# Altium PCB CCZynq.PcbDoc (part 1 of 5)
Units mil, origin at the board's own origin, x right, y up, seen from the top; angles counter-clockwise.
Board outline 3895 x 3895 mil, 4 copper layers (Top Layer, GND, PWR, Bottom Layer), stack 23.756 mil thick; 247 components, 195 nets, 1181 pads, 779 vias.
Unrouted connection lines stored in the file: 8.
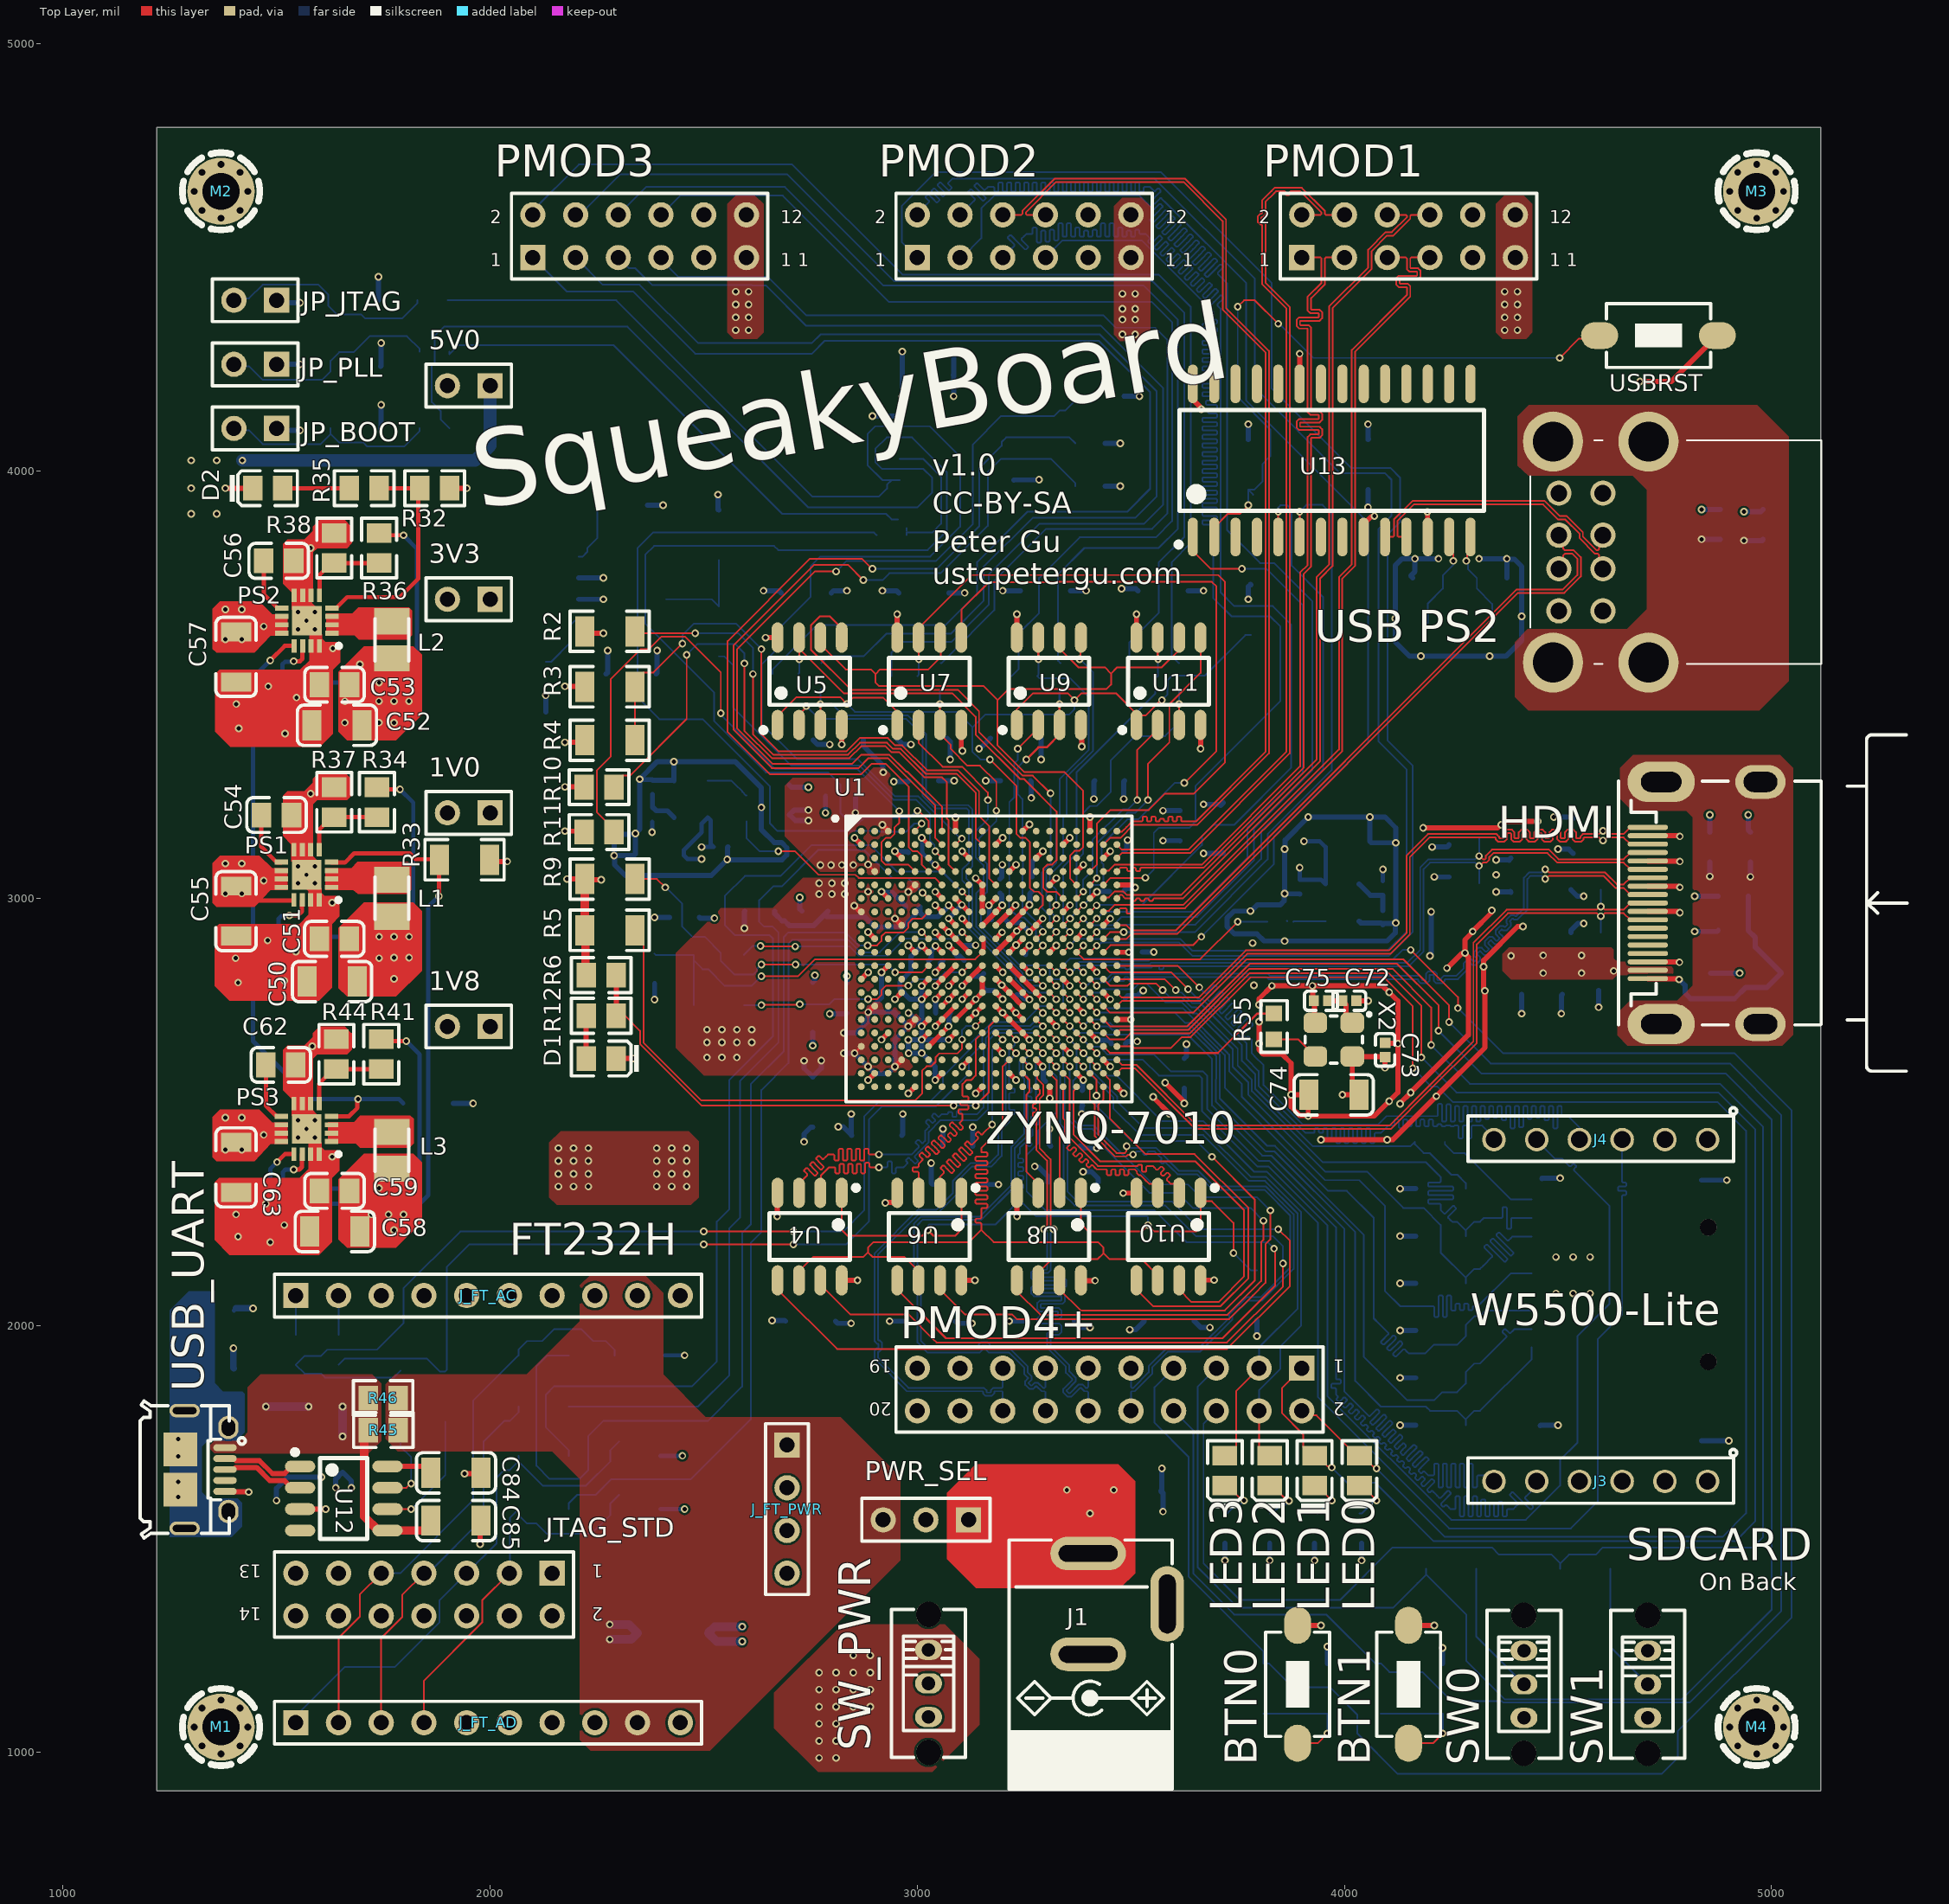
[diagram p0: Top Layer view]
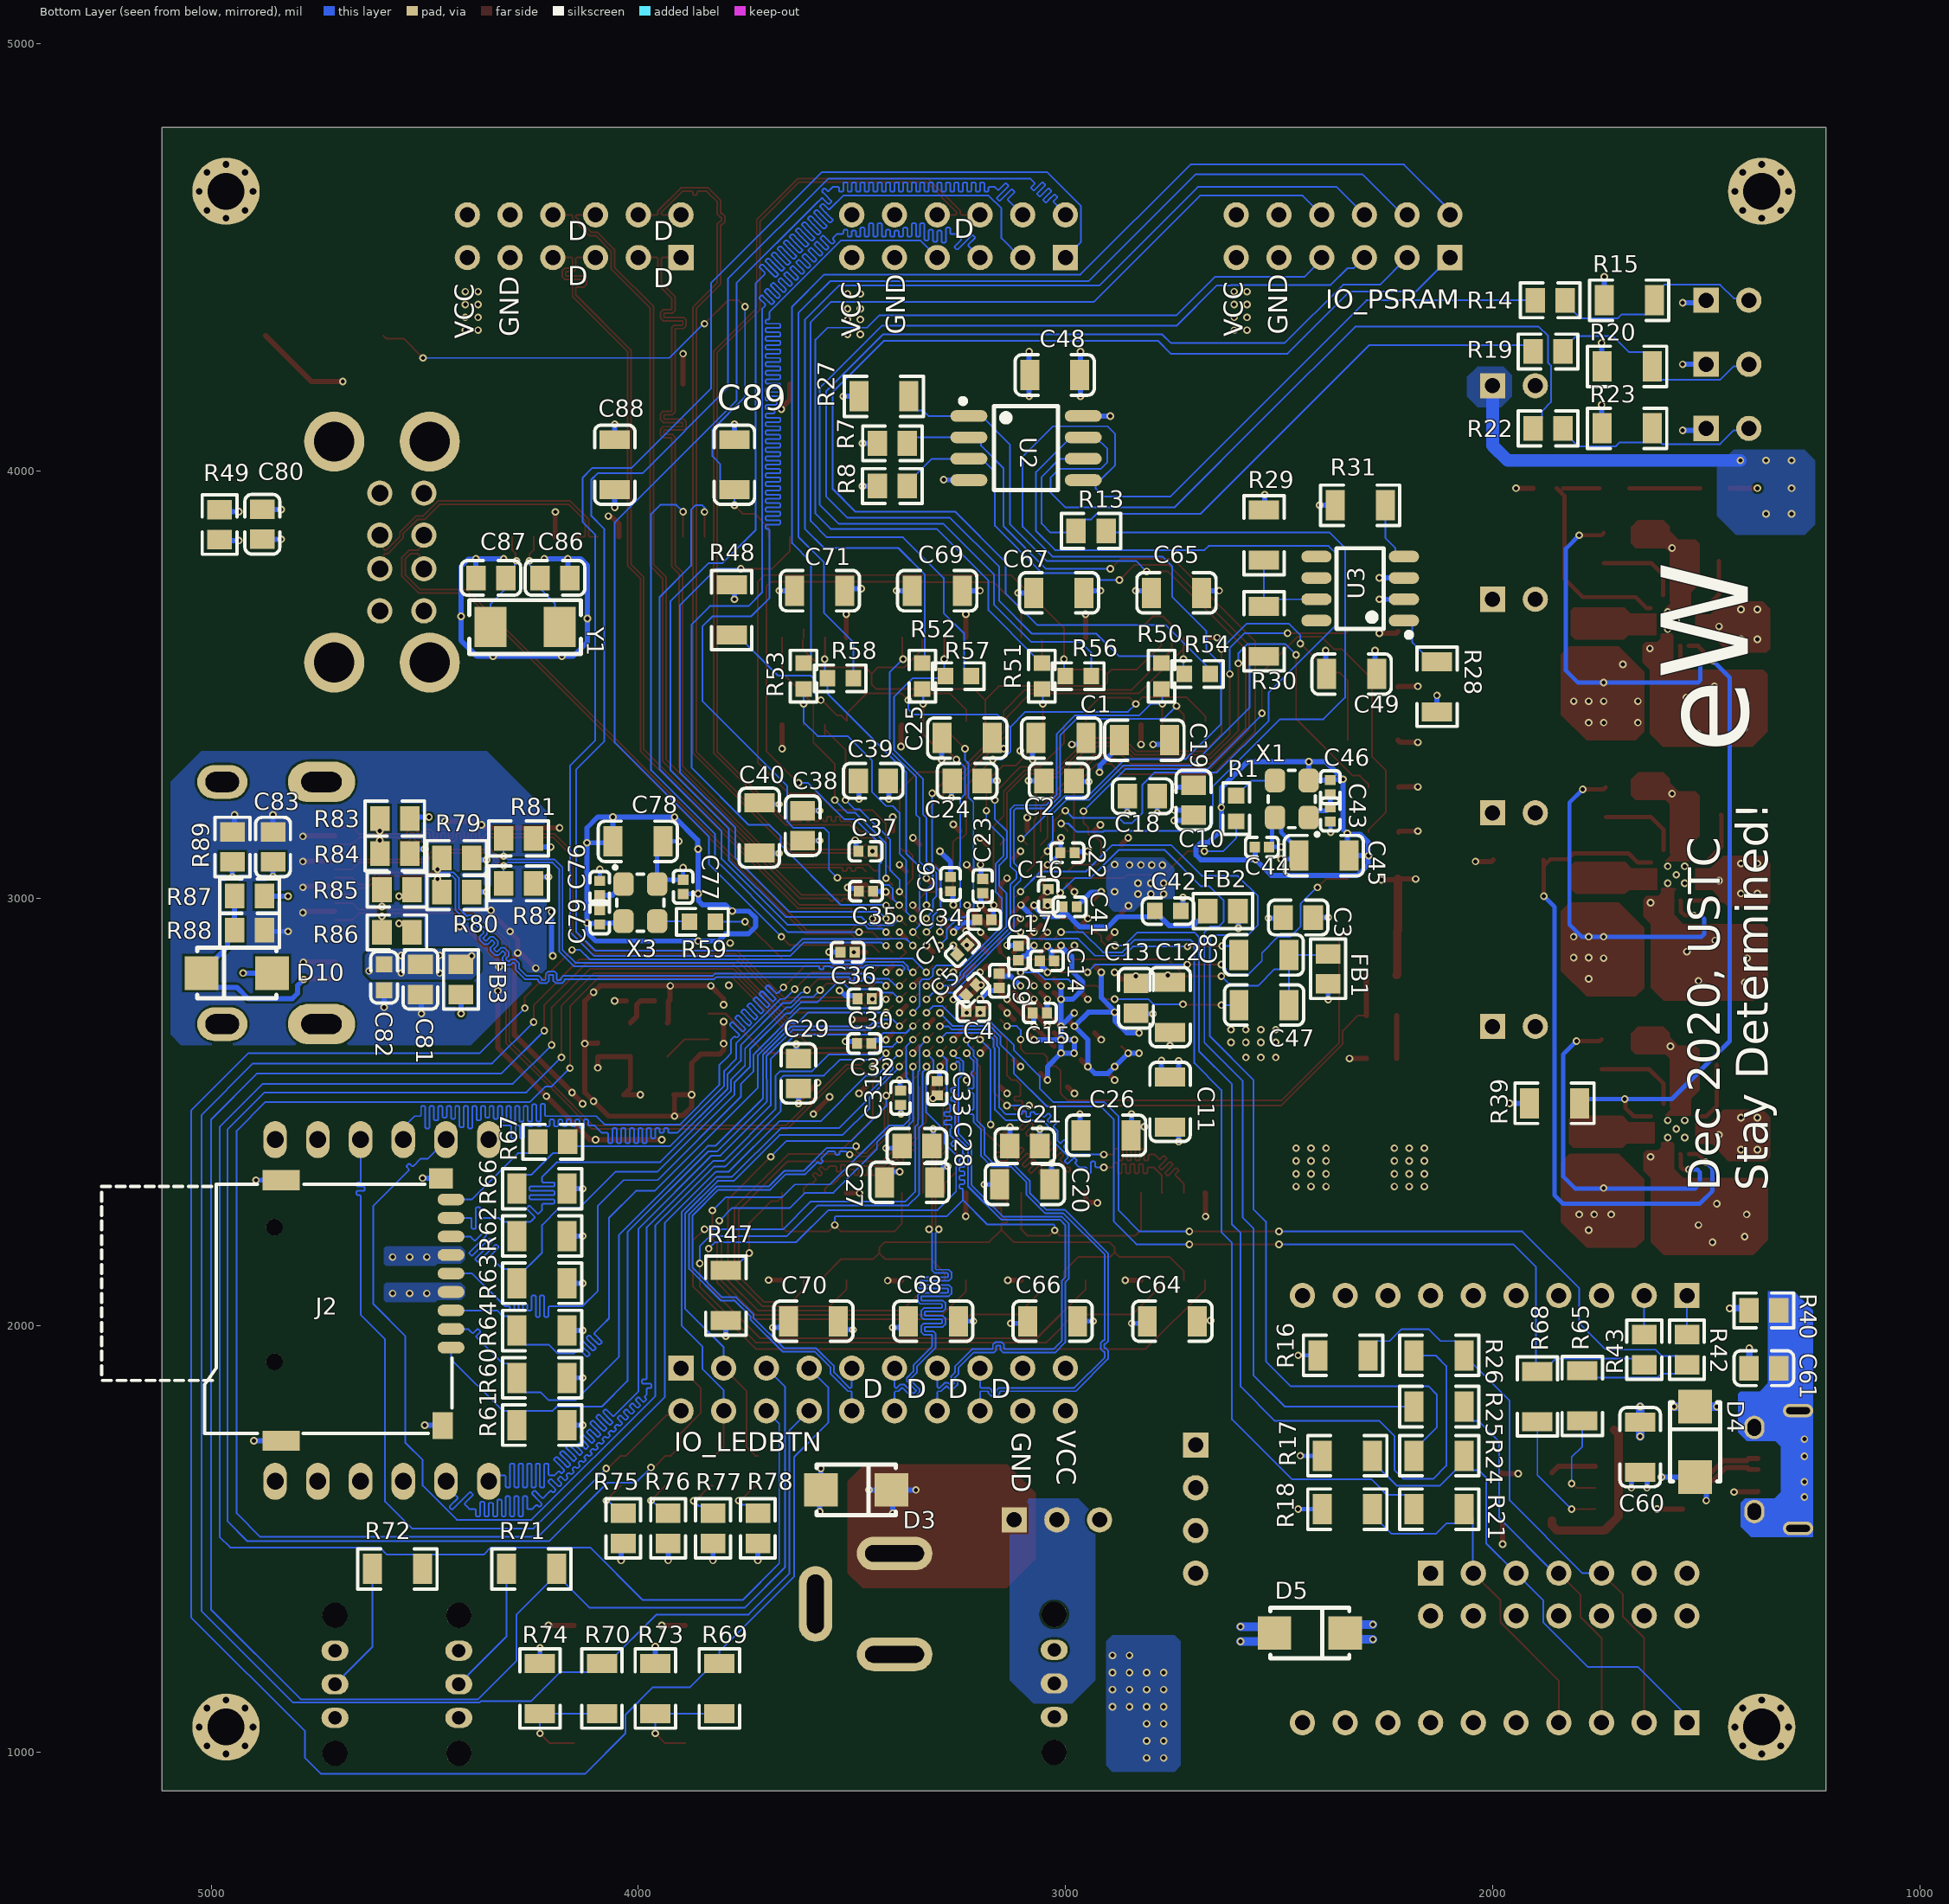
[diagram p1: Bottom Layer view, seen from below]
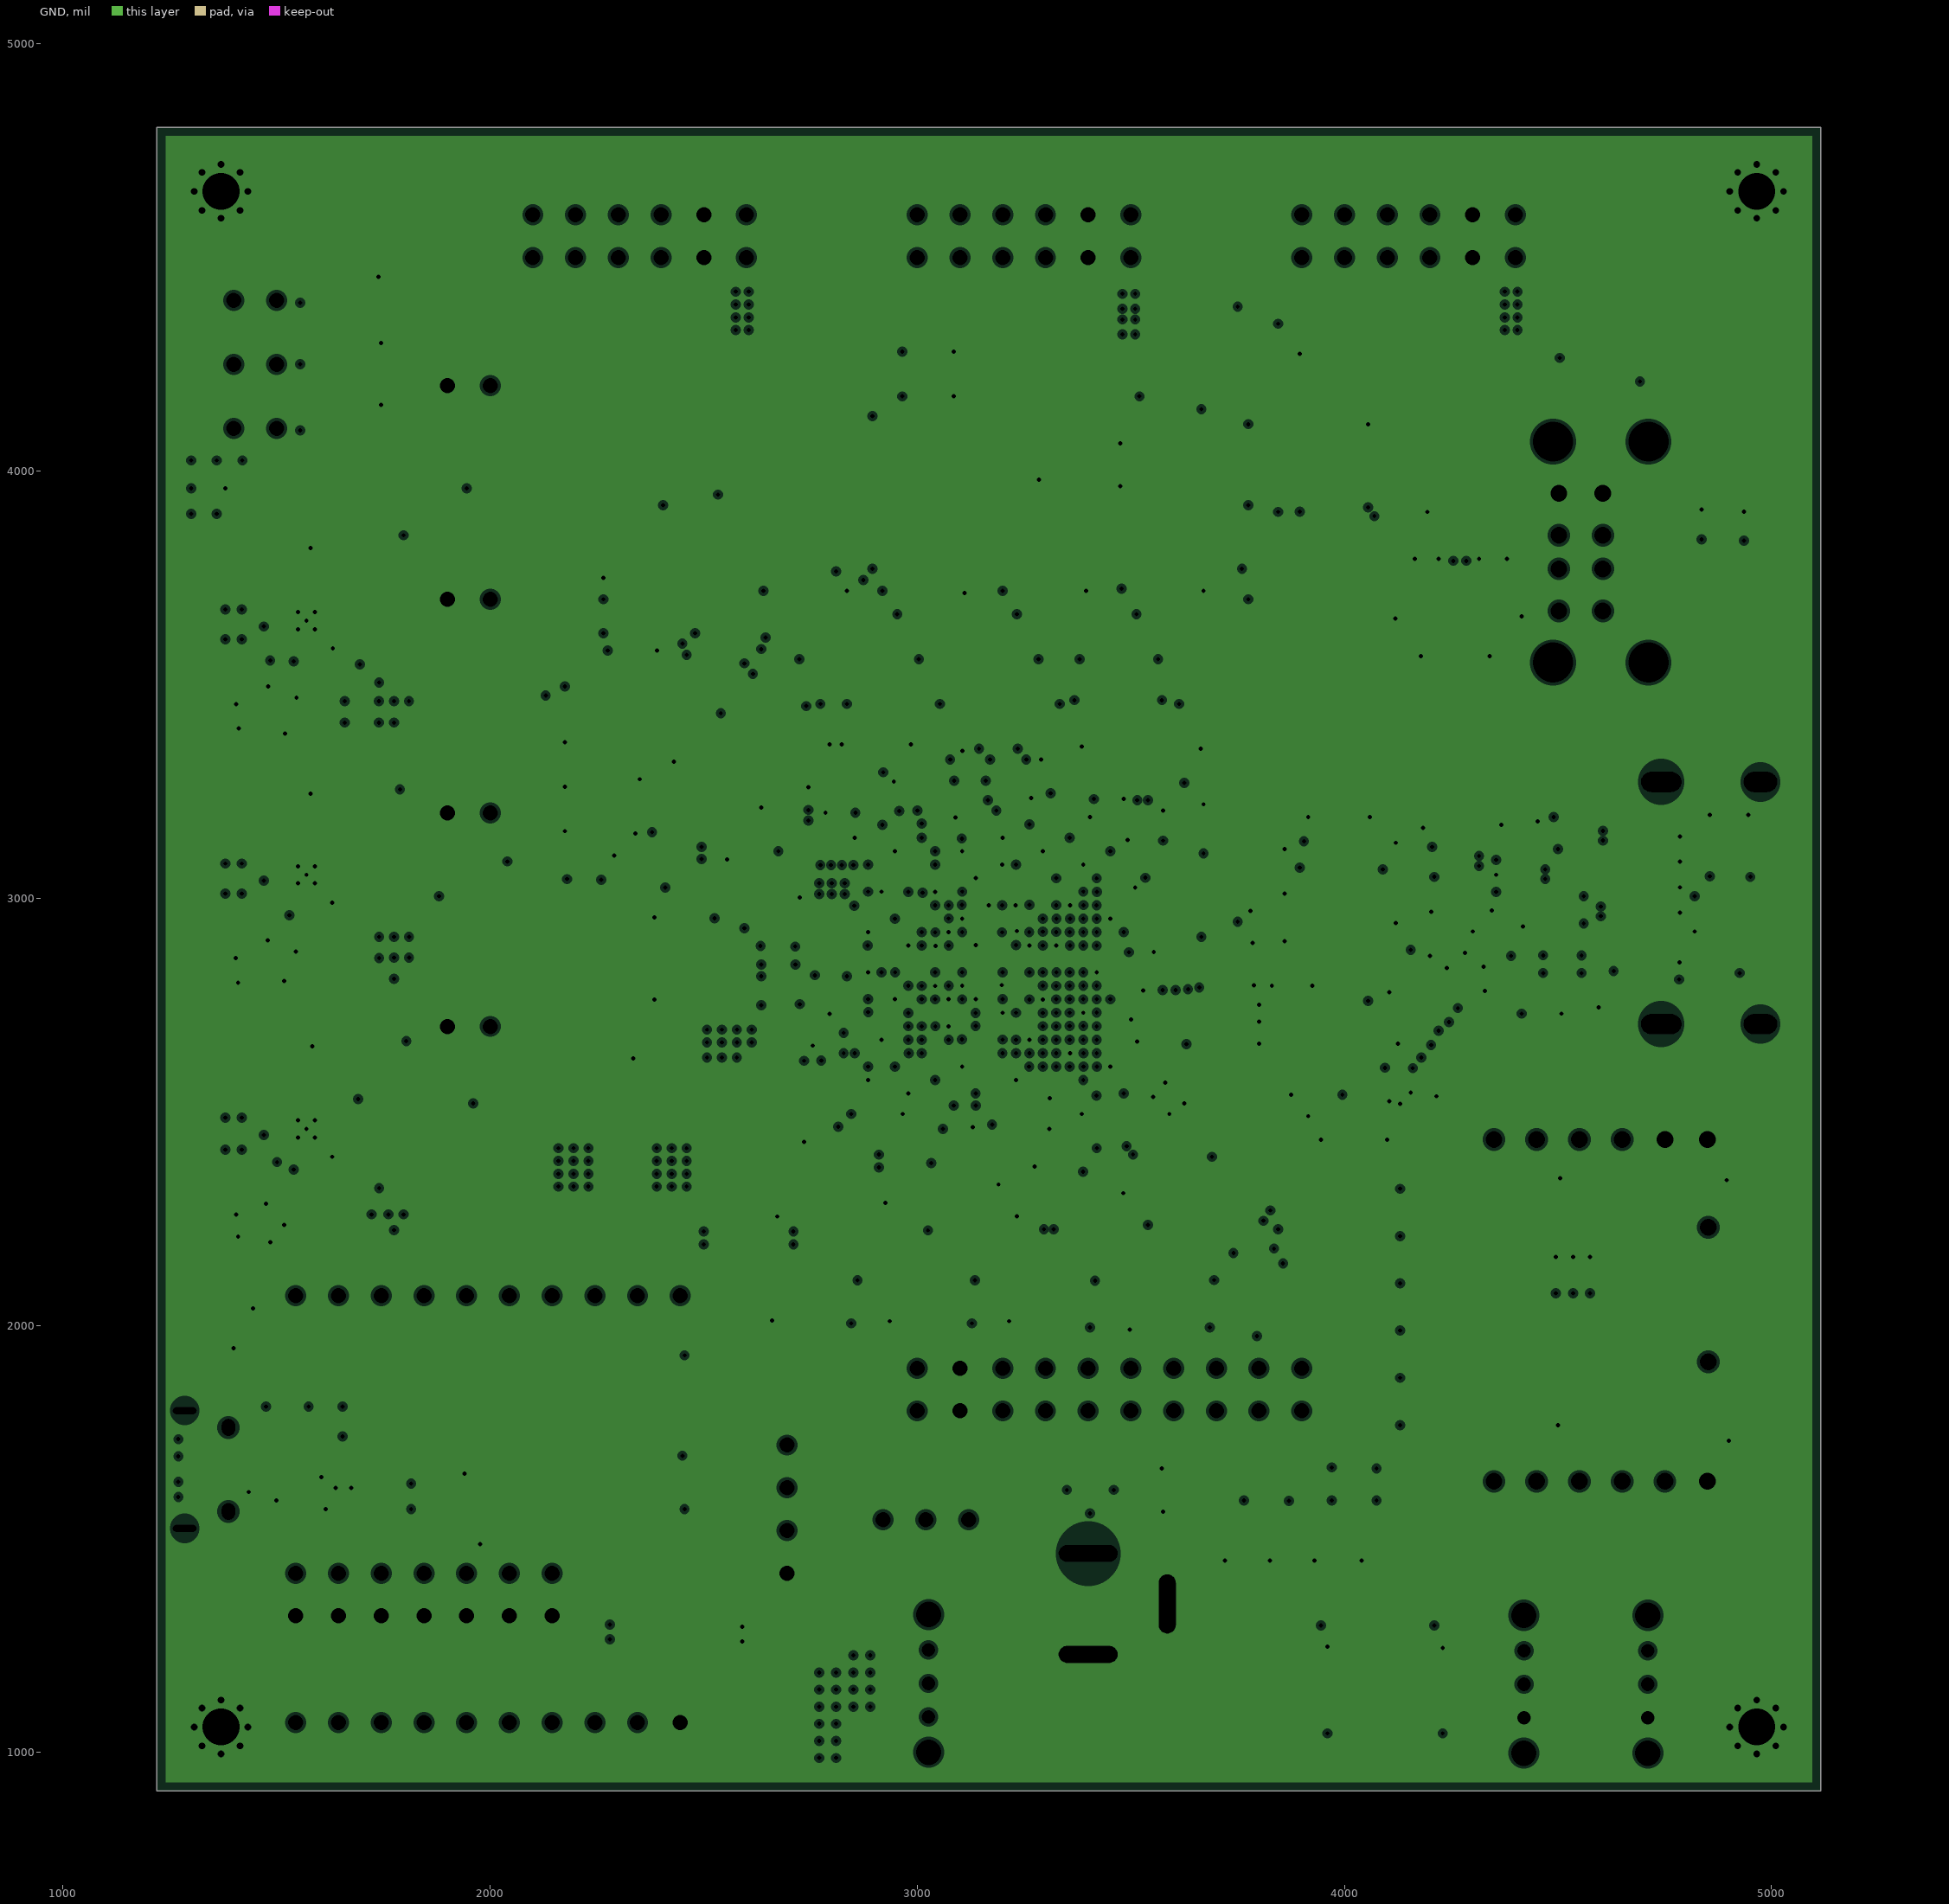
[diagram p2: GND, clearances drawn from the general rule]
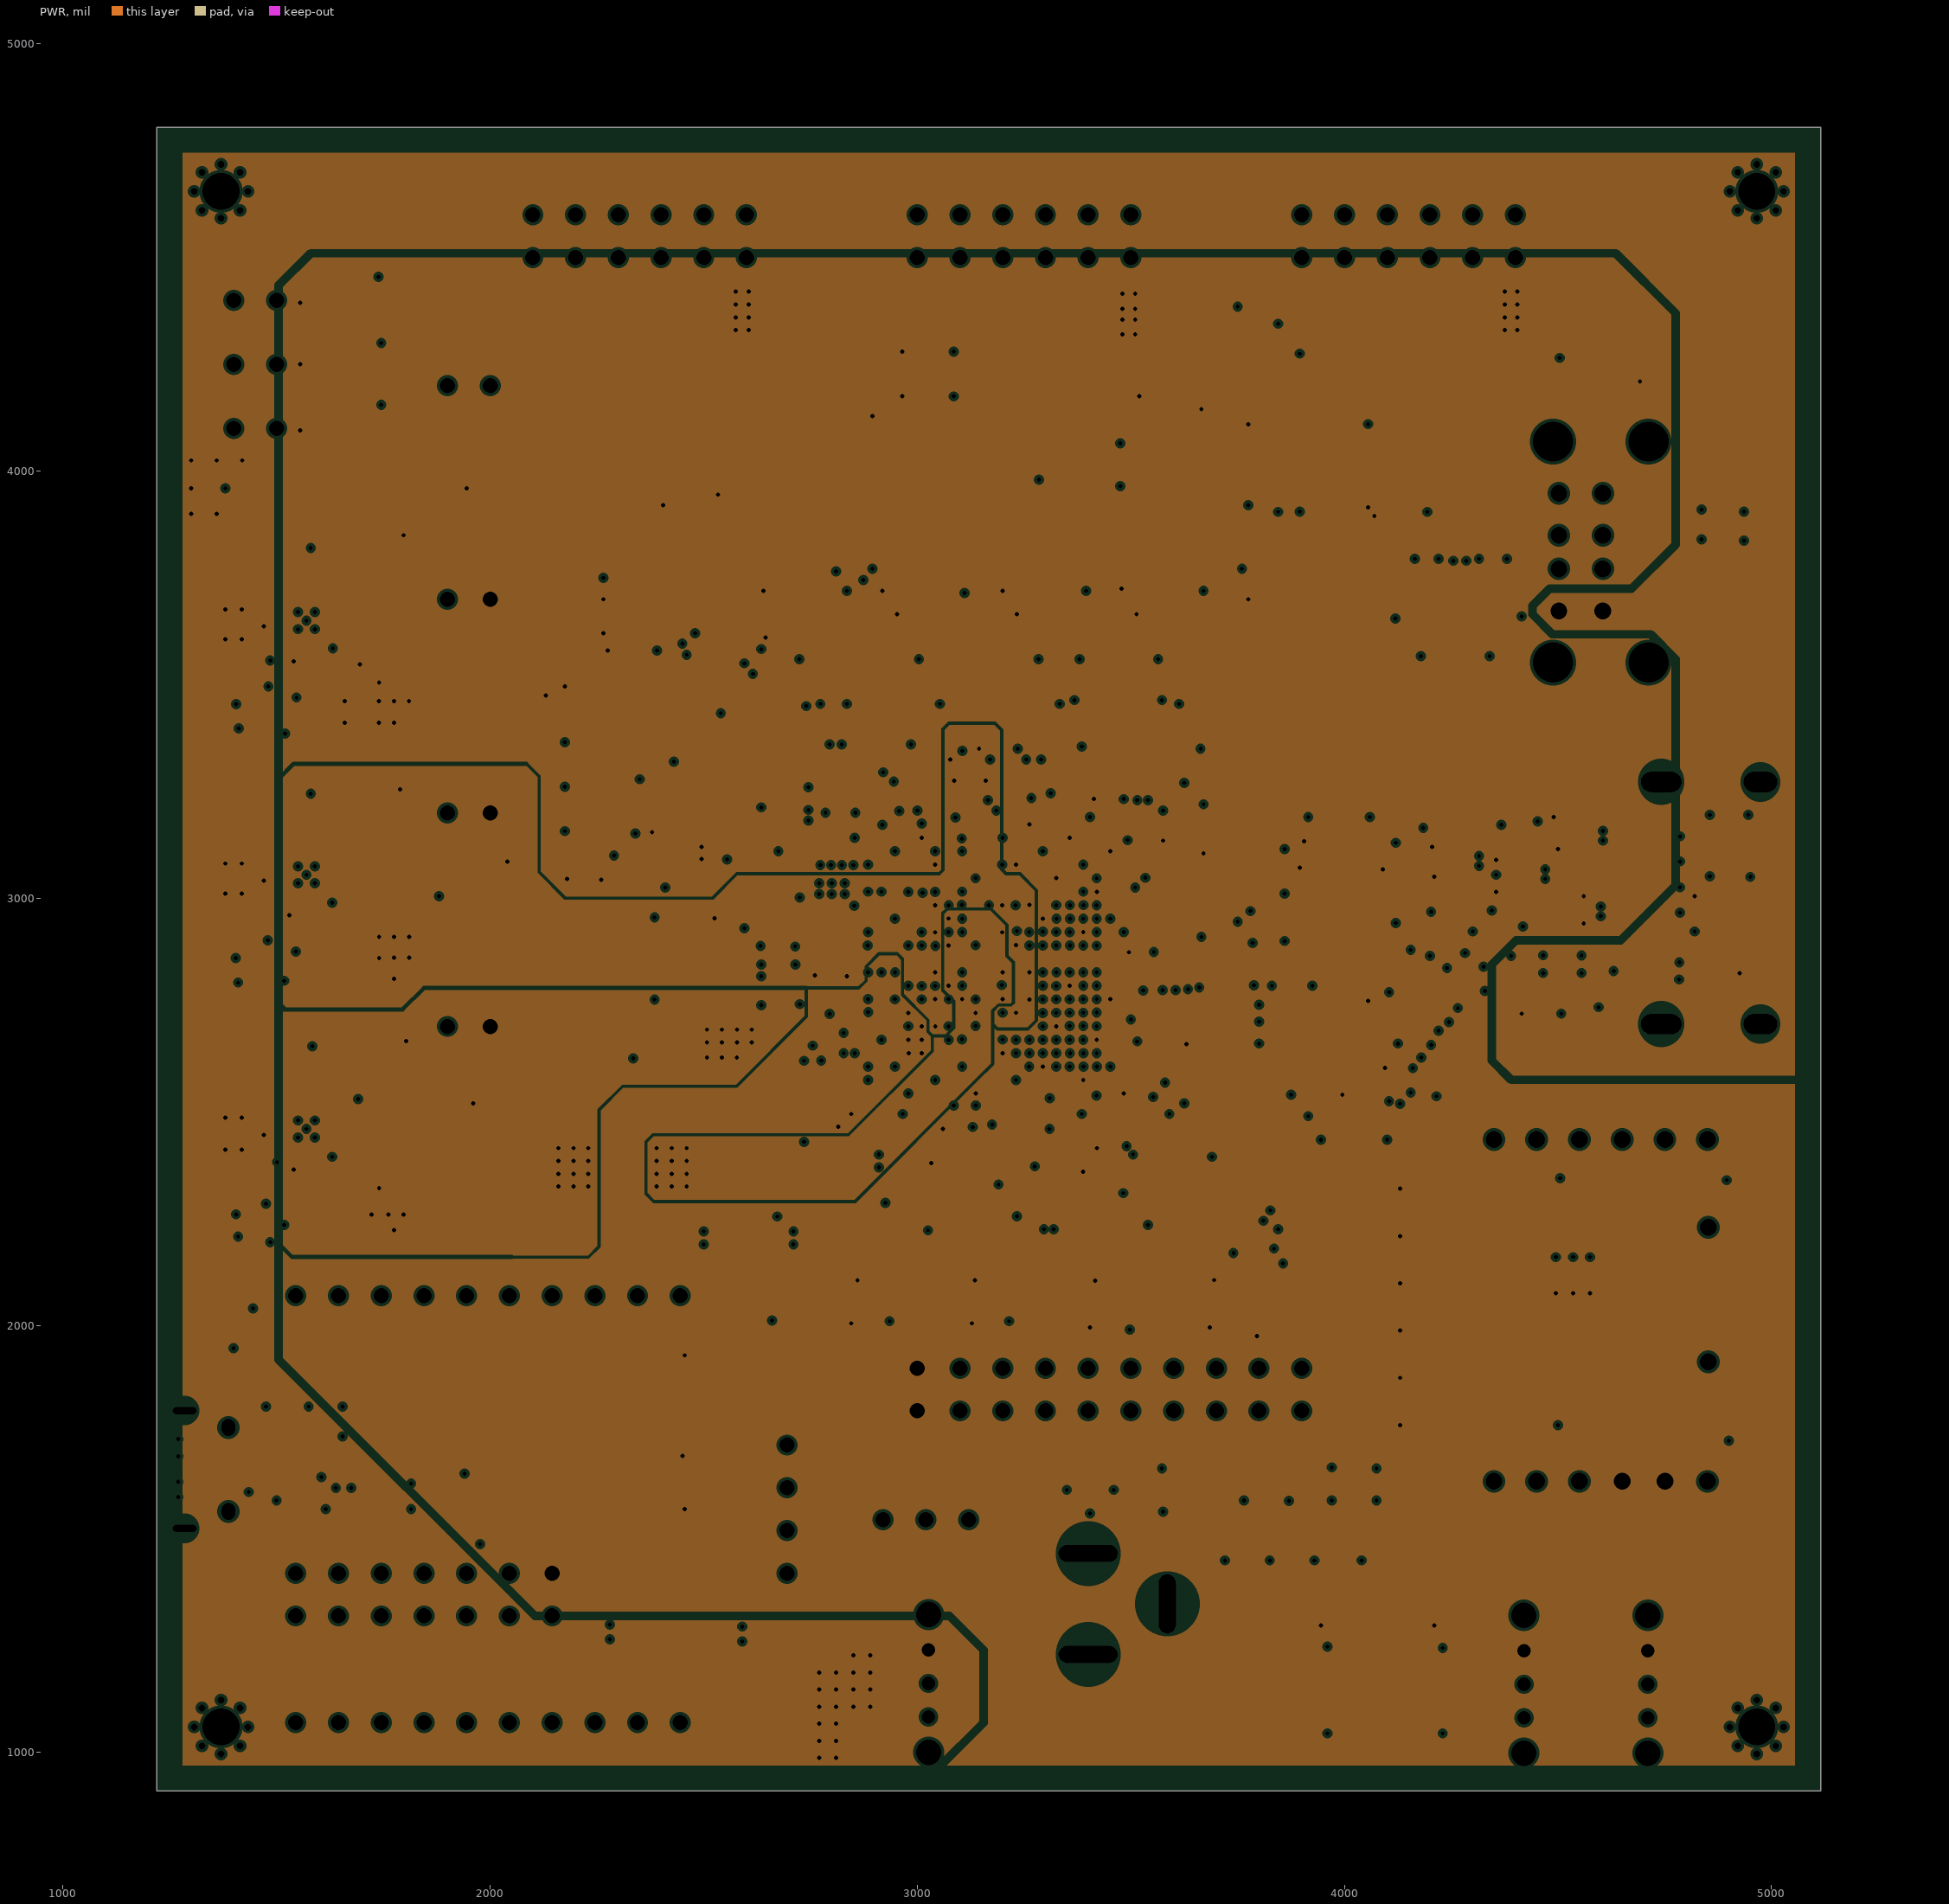
[diagram p3: PWR, clearances drawn from the general rule]

## Layer stack, top to bottom
Top Solder: solder mask 0.4, Solder Resist, Dk 3.5
Top Layer: signal copper 1.4
Dielectric 1: dielectric 12.6, FR-4, Dk 4.8
GND: plane copper 1.3778, net GND
Dielectric 2: prepreg 2.8, FR-4, Dk 4.1
PWR: plane copper 1.3778, net (Multiple Nets)
Dielectric 3: prepreg 2.8, FR-4, Dk 4.1
Bottom Layer: signal copper 1.4
Bottom Solder: solder mask 0.4, Solder Resist, Dk 3.5

## Board outline
1220,910 1220,4805 5115,4805 5115,910
cut-out: 0,0 10,0 10,10 0,10

## Design rules (kind name [scope] priority, off if disabled: settings)
Clearance [All] p1: gap=5 ignorepadtopadclearanceinfootprint=TRUE except(0: Arc-Hole Track-Hole SMDPad-Hole THPad-Hole Via-Hole Fill-Hole Poly-Hole Region-Hole Text-Hole; 4: Arc-Arc Arc-Track Track-Track)
DiffPairsRouting [All] p1: maxlimit=10 minlimit=4 mostfreqgap=4 toplayer_minwidth=4 toplayer_maxwidth=15 toplayer_prefwidth=4 bottomlayer_minwidth=4 bottomlayer_maxwidth=15 bottomlayer_prefwidth=4 maxuncoupledlength=500
HoleSize [All] p1: absolutevalues=TRUE maxlimit=1000 minlimit=1 maxpercent=80.000 minpercent=20.000
HoleToHoleClearance [All] p1: gap=8 allowstackedmicrovias=TRUE
MinimumSolderMaskSliver [All] p1: minsoldermaskwidth=0
PlaneClearance [All] p1: clearance=7
PlaneConnect [All] p1: planeconnectstyle=Direct reliefexpansion=20 reliefentries=4 reliefconductorwidth=10 reliefairgap=10
PolygonConnect [All] p1: connectstyle=Direct reliefconductorwidth=10 reliefentries=4 polygonreliefangle="90 Angle" airgapwidth=10
RoutingVias [All] p1: holewidth=10 width=17.72 viastyle="Through Hole" minholewidth=10 minwidth=17.72 maxholewidth=10 maxwidth=17.72
SilkToSilkClearance [All] p1: silktosilkclearance=0
SilkToSolderMaskClearance [IsPad] p1: minsilkscreentomaskgap=0 clearancetoexposedcopper=TRUE
SolderMaskExpansion [All] p1: expansion=4
Width [All] p1: maxlimit=50 minlimit=4 preferedwidth=4
22 further rules are at their usual default settings.

## Classes and differential pairs
component class Sheet7: C60 C61 C81 C82 C83 C84 C85 D4 D10 FB3 HDMI J3 J4 R40 R65 R68 R79 R80 R81 R82 R83 R84 R85 R86 R87 R88 R89 U12 USB_UART
component class Sheet5: C64 C65 C66 C67 C68 C69 C70 C71 C72 C73 C74 C75 C76 C77 C78 C79 M1 M2 M3 M4 PMOD1 PMOD2 PMOD3 R47 R48 R50 R51 R52 R53 R54 R55 R56 R57 R58 R59 U4 U5 U6 U7 U8 U9 U10 U11 X2 X3
component class Sheet6: BTN0 BTN1 C80 C86 C87 C88 C89 J2 LED0 LED1 LED2 LED3 PMOD4+ R49 R60 R61 R62 R63 R64 R66 R67 R69 R70 R71 R72 R73 R74 R75 R76 R77 R78 SW0 SW1 U13 "USB PS2" USBRST Y1
component class Sheet4: 1V0 1V8 3V3 5V0 C50 C51 C52 C53 C54 C55 C56 C57 C58 C59 C62 C63 D2 D3 D5 J1 J_FT_AC J_FT_AD J_FT_PWR L1 L2 L3 PS1 PS2 PS3 PWR_SEL R32 R33 R34 R35 R36 R37 R38 R39 R41 R42 R43 R44 R45 R46 SW_PWR
component class Sheet3: U1
component class Sheet1: C1 C2 C3 C4 C5 C6 C7 C8 C9 C10 C11 C12 C13 C14 C15 C16 C17 C18 C19 C20 C21 C22 C23 C24 C25 C26 C27 C28 C29 C30 C31 C32 C33 C34 C35 C36 C37 C38 C39 C40 C41 C42 FB1 FB2
component class Sheet2: C43 C44 C45 C46 C47 C48 C49 D1 JP_BOOT JP_JTAG JP_PLL JTAG_STD R1 R2 R3 R4 R5 R6 R7 R8 R9 R10 R11 R12 R13 R14 R15 R16 R17 R18 R19 R20 R21 R22 R23 R24 R25 R26 R27 R28 R29 R30 R31 U2 U3 X1
differential pair P5: +P5_P -P5_N
differential pair P4: +P4_P -P4_N
differential pair P3: +P3_P -P3_N
differential pair USBD2: +USBD2_P -USBD2_N
differential pair P2: +P2_P -P2_N
differential pair P1: +P1_P -P1_N
differential pair Q4: +Q4_P -Q4_N
differential pair Q3: +Q3_P -Q3_N
differential pair Q1: +Q1_P -Q1_N
differential pair USBUART: +USBUART_P -USBUART_N
differential pair Q2: +Q2_P -Q2_N
differential pair USBD: +USBD_P -USBD_N
differential pair HDMI_D2: +HDMI_D2_P -HDMI_D2_N
differential pair HDMI_D1: +HDMI_D1_P -HDMI_D1_N
differential pair HDMI_D0: +HDMI_D0_P -HDMI_D0_N
differential pair HDMI_CLK: +HDMI_CLK_P -HDMI_CLK_N
